# KiCad board nt980.dk-hs.kicad_pcb
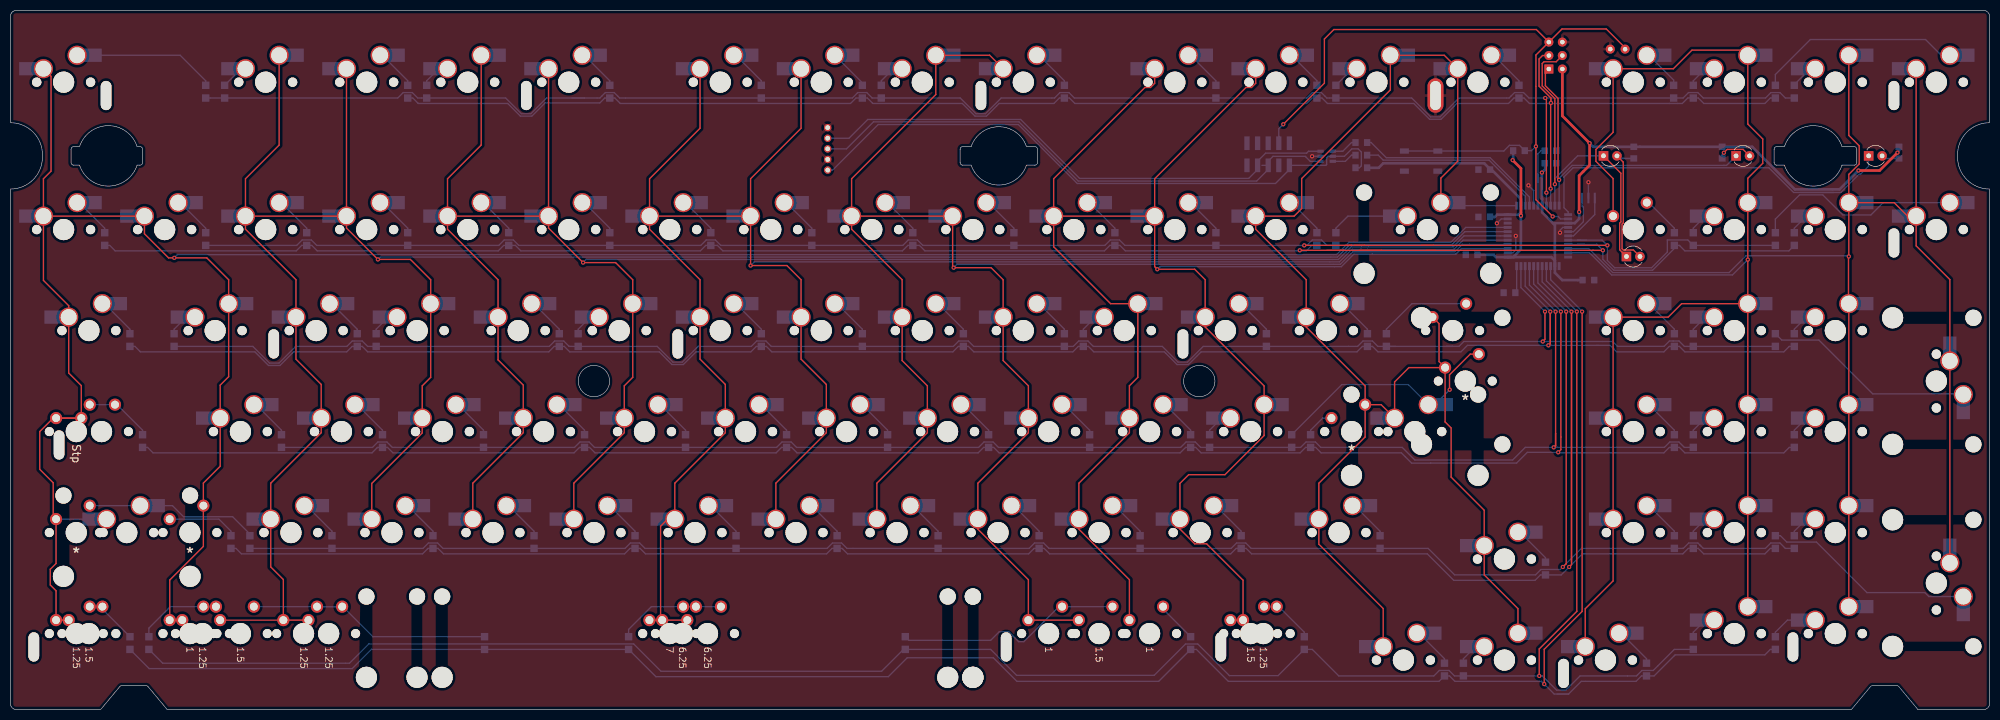
[diagram p0: board, top side]
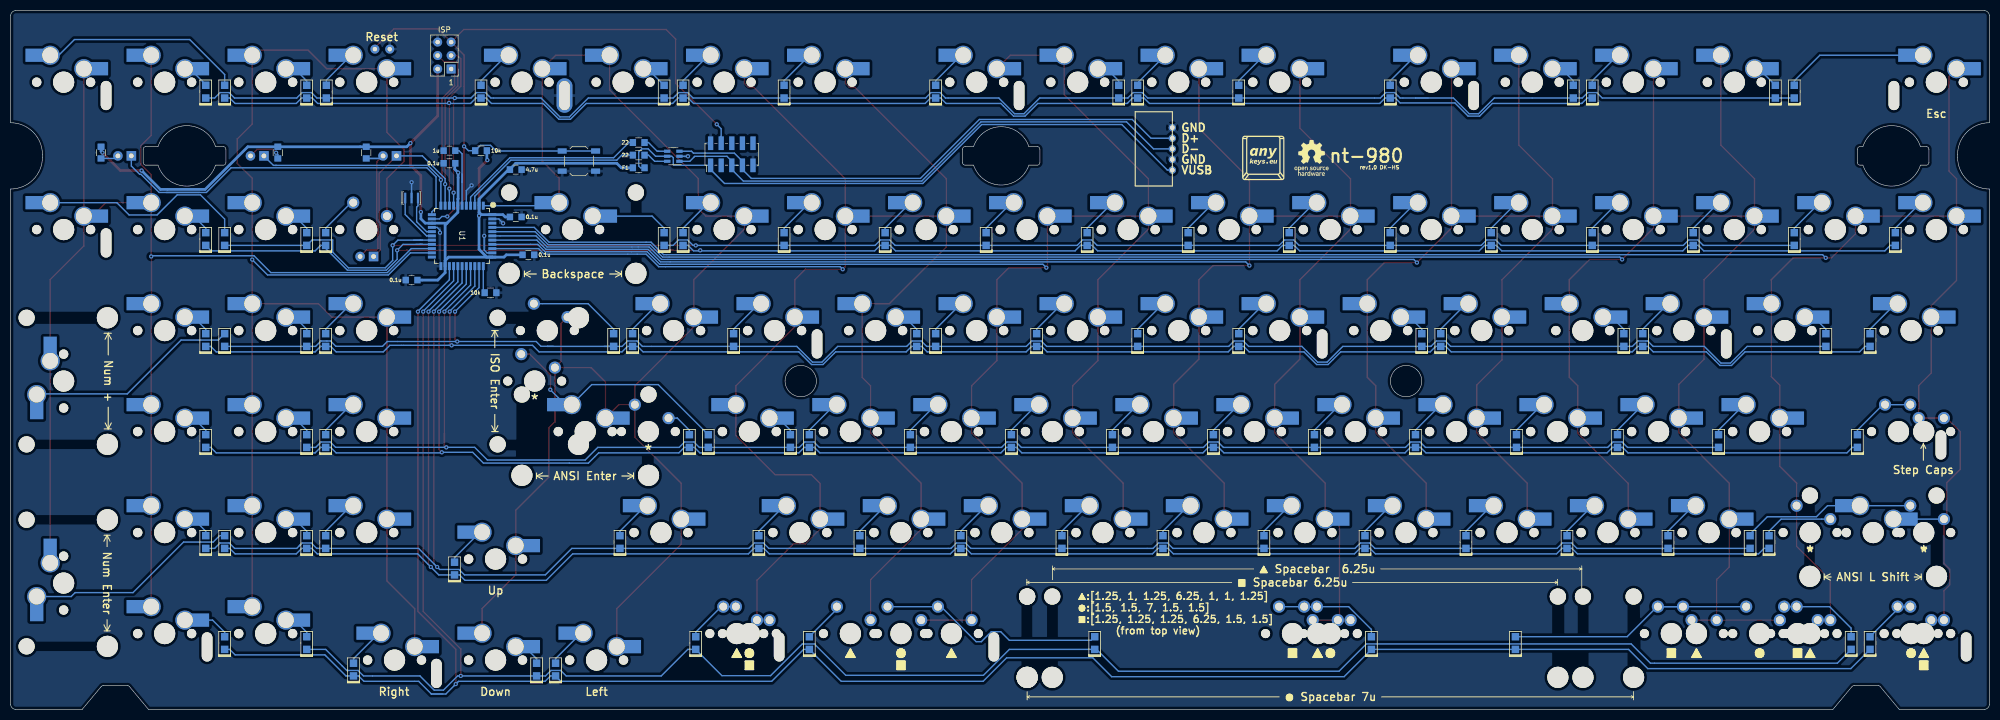
[diagram p1: board, bottom side, seen from below]

Outline 373.15 x 131.8 mm; copper layers: Top, Bottom. Coordinates in mm from the lower left corner of the outline.
Outline path: circle c110,61.92 r2.95 ; circle c224.15,61.92 r2.95 ; 0,110.65 0,130.8 arc(0.29,131.51) 1,131.8 372.15,131.8 arc(372.86,131.51) 373.15,130.8 373.15,110.65 arc(368.91,108.89) 367.15,104.65 ; 0,110.65 arc(4.24,108.89) 6,104.65 6,104.15 arc(4.24,99.91) 0,98.15 0,1 arc(0.29,0.29) 1,0 17,0 20.6,4.32 arc(20.77,4.45) 20.98,4.5 25.52,4.5 arc(25.73,4.45) 25.9,4.32 29.5,0 347.15,0 ; 13,106.15 11.9,106.15 arc(11.55,106) 11.4,105.65 11.4,103.15 arc(11.55,102.8) 11.9,102.65 13,102.65 arc(18.42,98.7) 23.85,102.65 24.4,102.65 arc(24.75,102.8) 24.9,103.15 24.9,105.65 arc(24.75,106) 24.4,106.15 23.85,106.15 arc(18.42,110.1) 13,106.15 ; 181.14,106.15 179.55,106.15 arc(179.2,106) 179.05,105.65 179.05,103.15 arc(179.2,102.8) 179.55,102.65 181.14,102.65 arc(186.35,98.9) 191.56,102.65 193.15,102.65 arc(193.5,102.8) 193.65,103.15 193.65,105.65 arc(193.5,106) 193.15,106.15 191.56,106.15 arc(186.35,109.9) 181.14,106.15 ; 345.35,102.65 arc(339.93,98.7) 334.5,102.65 333.05,102.65 arc(332.7,102.8) 332.55,103.15 332.55,105.65 arc(332.7,106) 333.05,106.15 334.5,106.15 arc(339.93,110.1) 345.35,106.15 347.65,106.15 arc(348,106) 348.15,105.65 348.15,103.15 arc(348,102.8) 347.65,102.65 345.35,102.65 ; 347.15,0 350.75,4.32 arc(350.92,4.45) 351.13,4.5 355.67,4.5 arc(355.88,4.45) 356.05,4.32 359.65,0 372.15,0 arc(372.86,0.29) 373.15,1 373.15,98.15 ; 367.15,104.65 367.15,104.15 arc(368.91,99.91) 373.15,98.15
Stack: Top 0.035mm / dielectric 1.51mm FR4 er 4.5 / Bottom 0.035mm

## Placement (name value [footprint] x y rotation side)
C101  1u  [C_0805]  290.39 105.38 0 bottom
C103  0.1u  [C_0805]  275.51 85.74 180 bottom
C104  0.1u  [C_0805]  297.54 80.98 0 bottom
C105  0.1u  [C_0805]  290.39 103 0 bottom
C106  0.1u  [C_0805]  277.89 92.88 180 bottom
C107  4.7u  [C_0805]  277.89 101.81 180 bottom
D1  D  [D_0805]  36.79 116.51 90 bottom
D3  D  [D_0805]  40.36 116.51 90 bottom
D4  D  [D_0805]  74.89 116.51 90 bottom
D5  D  [D_0805]  78.46 116.51 90 bottom
D6  D  [D_0805]  112.99 116.51 90 bottom
D7  D  [D_0805]  141.56 116.51 90 bottom
D8  D  [D_0805]  160.61 116.51 90 bottom
D9  D  [D_0805]  164.19 116.51 90 bottom
D10  D  [D_0805]  198.71 116.51 90 bottom
D11  D  [D_0805]  227.29 116.51 90 bottom
D12  D  [D_0805]  246.34 116.51 90 bottom
D13  D  [D_0805]  249.91 116.51 90 bottom
D14  D  [D_0805]  284.44 116.51 90 bottom
D15  D  [D_0805]  313.61 116.51 90 bottom
D16  D  [D_0805]  317.31 116.51 90 bottom
D17  D  [D_0805]  336.36 116.51 90 bottom
D18  D  [D_0805]  332.79 116.51 90 bottom
D19  D  [D_0805]  17.74 88.71 90 bottom
D20  D  [D_0805]  36.79 88.71 90 bottom
D21  D  [D_0805]  55.84 88.71 90 bottom
D22  D  [D_0805]  74.89 88.71 90 bottom
D23  D  [D_0805]  93.94 88.71 90 bottom
D24  D  [D_0805]  112.99 88.71 90 bottom
D25  D  [D_0805]  132.04 88.71 90 bottom
D26  D  [D_0805]  151.09 88.71 90 bottom
D27  D  [D_0805]  170.14 88.71 90 bottom
D28  D  [D_0805]  189.19 88.71 90 bottom
D29  D  [D_0805]  208.24 88.71 90 bottom
D30  D  [D_0805]  227.29 88.71 90 bottom
D31  D  [D_0805]  246.34 88.71 90 bottom
D32  D  [D_0805]  249.91 88.71 90 bottom
D33  D  [D_0805]  313.74 88.71 90 bottom
D34  D  [D_0805]  317.31 88.71 90 bottom
D35  D  [D_0805]  336.36 88.71 90 bottom
D36  D  [D_0805]  332.79 88.71 90 bottom
D37  D  [D_0805]  22.5 69.66 90 bottom
D38  D  [D_0805]  30.84 69.66 90 bottom
D39  D  [D_0805]  65.36 69.66 90 bottom
D40  D  [D_0805]  68.94 69.66 90 bottom
D41  D  [D_0805]  103.46 69.66 90 bottom
D42  D  [D_0805]  107.04 69.66 90 bottom
D43  D  [D_0805]  141.56 69.66 90 bottom
D44  D  [D_0805]  160.61 69.66 90 bottom
D45  D  [D_0805]  179.66 69.66 90 bottom
D46  D  [D_0805]  198.71 69.66 90 bottom
D47  D  [D_0805]  202.29 69.66 90 bottom
D48  D  [D_0805]  236.81 69.66 90 bottom
D49  D  [D_0805]  255.86 69.66 90 bottom
D50  D  [D_0805]  259.44 69.66 90 bottom
D51  D  [D_0805]  313.74 69.66 90 bottom
D52  D  [D_0805]  317.31 69.66 90 bottom
D53  D  [D_0805]  336.36 69.66 90 bottom
D54  D  [D_0805]  332.79 69.66 90 bottom
D55  D  [D_0805]  24.88 50.61 90 bottom
D56  D  [D_0805]  51.08 50.61 90 bottom
D57  D  [D_0805]  70.13 50.61 90 bottom
D58  D  [D_0805]  89.18 50.61 90 bottom
D59  D  [D_0805]  108.23 50.61 90 bottom
D60  D  [D_0805]  127.28 50.61 90 bottom
D61  D  [D_0805]  146.33 50.61 90 bottom
D62  D  [D_0805]  165.38 50.61 90 bottom
D63  D  [D_0805]  184.43 50.61 90 bottom
D64  D  [D_0805]  203.48 50.61 90 bottom
D65  D  [D_0805]  222.53 50.61 90 bottom
D66  D  [D_0805]  226.1 50.61 90 bottom
D67  D  [D_0805]  245.15 50.61 90 bottom
D68  D  [D_0805]  241.58 50.61 90 bottom
D69  D  [D_0805]  313.74 50.61 90 bottom
D70  D  [D_0805]  317.31 50.61 90 bottom
D71  D  [D_0805]  336.36 50.61 90 bottom
D73  D  [D_0805]  45.12 31.56 90 bottom
D74  D  [D_0805]  41.55 31.56 90 bottom
D75  D  [D_0805]  60.6 31.56 90 bottom
D76  D  [D_0805]  79.65 31.56 90 bottom
D77  D  [D_0805]  98.7 31.56 90 bottom
D78  D  [D_0805]  117.75 31.56 90 bottom
D79  D  [D_0805]  136.8 31.56 90 bottom
D80  D  [D_0805]  155.85 31.56 90 bottom
D81  D  [D_0805]  174.9 31.56 90 bottom
D82  D  [D_0805]  193.95 31.56 90 bottom
D83  D  [D_0805]  213 31.56 90 bottom
D84  D  [D_0805]  232.05 31.56 90 bottom
D85  D  [D_0805]  258.25 31.56 90 bottom
D86  D  [D_0805]  289.44 26.56 90 bottom
D87  D  [D_0805]  313.74 31.56 90 bottom
D88  D  [D_0805]  317.31 31.56 90 bottom
D89  D  [D_0805]  336.36 31.56 90 bottom
D90  D  [D_0805]  332.79 31.56 90 bottom
D91  D  [D_0805]  22.51 12.51 90 bottom
D92  D  [D_0805]  26.07 12.51 90 bottom
D93  D  [D_0805]  89.38 12.51 90 bottom
D97  D  [D_0805]  116.54 12.51 90 bottom
D100  D  [D_0805]  168.72 12.51 90 bottom
D101  D  [D_0805]  222.53 12.51 90 bottom
D102  D  [D_0805]  243.96 12.51 90 bottom
D103  D  [D_0805]  270.39 7.51 90 bottom
D104  D  [D_0805]  273.96 7.51 90 bottom
D105  D  [D_0805]  308.49 7.51 90 bottom
D106  D  [D_0805]  317.31 12.51 90 bottom
D107  D  [D_0805]  332.79 12.51 90 bottom
F1  500mA, 1A  [R_0805]  254.71 102.15 180 bottom
G***  LOGO  [oshw]  127.83 104.01 180 bottom
G***#2  LOGO  [logo_new]  136.92 104.01 180 bottom
J1  USB  [PinHeader_2x05_P2.00mm_Vertical_SMD]  237.15 104.7 90 bottom
J2  ISP  [isp_standard]  291.35 123.33 0 bottom
K1  KEYSW  [Hotswap-1.00U]  10 118.3 0 top
K3  KEYSW  [Hotswap-1.00U]  48.1 118.3 0 top
K4  KEYSW  [Hotswap-1.00U]  67.15 118.3 0 top
K5  KEYSW  [Hotswap-1.00U]  86.2 118.3 0 top
K6  KEYSW  [Hotswap-1.00U]  105.25 118.3 0 top
K7  KEYSW  [Hotswap-1.00U]  133.83 118.3 0 top
K8  KEYSW  [Hotswap-1.00U]  152.88 118.3 0 top
K9  KEYSW  [Hotswap-1.00U]  171.93 118.3 0 top
K10  KEYSW  [Hotswap-1.00U]  190.98 118.3 0 top
K11  KEYSW  [Hotswap-1.00U]  219.55 118.3 0 top
K12  KEYSW  [Hotswap-1.00U]  238.6 118.3 0 top
K13  KEYSW  [Hotswap-1.00U]  257.65 118.3 0 top
K14  KEYSW  [Hotswap-1.00U]  276.7 118.3 0 top
K15  KEYSW  [Hotswap-1.00U]  306 118.3 0 top
K16  KEYSW  [Hotswap-1.00U]  325.05 118.3 0 top
K17  KEYSW  [Hotswap-1.00U]  344.1 118.3 0 top
K18  KEYSW  [Hotswap-1.00U]  363.15 118.3 0 top
K19  KEYSW  [Hotswap-1.00U]  10 90.5 0 top
K20  KEYSW  [Hotswap-1.00U]  29.05 90.5 0 top
K21  KEYSW  [Hotswap-1.00U]  48.1 90.5 0 top
K22  KEYSW  [Hotswap-1.00U]  67.15 90.5 0 top
K23  KEYSW  [Hotswap-1.00U]  86.2 90.5 0 top
K24  KEYSW  [Hotswap-1.00U]  105.25 90.5 0 top
K25  KEYSW  [Hotswap-1.00U]  124.3 90.5 0 top
K26  KEYSW  [Hotswap-1.00U]  143.35 90.5 0 top
K27  KEYSW  [Hotswap-1.00U]  162.4 90.5 0 top
K28  KEYSW  [Hotswap-1.00U]  181.45 90.5 0 top
K29  KEYSW  [Hotswap-1.00U]  200.5 90.5 0 top
K30  KEYSW  [Hotswap-1.00U]  219.55 90.5 0 top
K31  KEYSW  [Hotswap-1.00U]  238.6 90.5 0 top
K32  KEYSW  [Hotswap-2.0U]  267.18 90.5 0 top
K33  KEYSW  [CHERRY_PLATE_100H]  306 90.5 0 top
K34  KEYSW  [Hotswap-1.00U]  325.05 90.5 0 top
K35  KEYSW  [Hotswap-1.00U]  344.1 90.5 0 top
K36  KEYSW  [Hotswap-1.00U]  363.15 90.5 0 top
K37  KEYSW  [Hotswap-1.5]  14.76 71.45 0 top
K38  KEYSW  [Hotswap-1.00U]  38.58 71.45 0 top
K39  KEYSW  [Hotswap-1.00U]  57.63 71.45 0 top
K40  KEYSW  [Hotswap-1.00U]  76.68 71.45 0 top
K41  KEYSW  [Hotswap-1.00U]  95.73 71.45 0 top
K42  KEYSW  [Hotswap-1.00U]  114.78 71.45 0 top
K43  KEYSW  [Hotswap-1.00U]  133.83 71.45 0 top
K44  KEYSW  [Hotswap-1.00U]  152.88 71.45 0 top
K45  KEYSW  [Hotswap-1.00U]  171.93 71.45 0 top
K46  KEYSW  [Hotswap-1.00U]  190.98 71.45 0 top
K47  KEYSW  [Hotswap-1.00U]  210.03 71.45 0 top
K48  1U  [Hotswap-1.00U]  229.08 71.45 0 top
K49  KEYSW  [Hotswap-1.00U]  248.13 71.45 0 top
K50  KEYSW  [CHERRY_PLATE_150H]  271.94 71.45 0 top
K51  KEYSW  [Hotswap-1.00U]  306 71.45 0 top
K52  KEYSW  [Hotswap-1.00U]  325.05 71.45 0 top
K53  KEYSW  [Hotswap-1.00U]  344.1 71.45 0 top
K54  KEYSW  [Hotswap-2.0U]  363.15 61.92 270 top
K55  KEYSW  [CHERRY_PLATE_175H]  17.14 52.4 0 top
K55-2  KEYSW  [CHERRY_PLATE_125H]  12.39 52.4 0 top
K56  KEYSW  [Hotswap-1.00U]  43.34 52.4 0 top
K57  KEYSW  [Hotswap-1.00U]  62.39 52.4 0 top
K58  KEYSW  [Hotswap-1.00U]  81.44 52.4 0 top
K59  KEYSW  [Hotswap-1.00U]  100.49 52.4 0 top
K60  KEYSW  [Hotswap-1.00U]  119.54 52.4 0 top
K61  KEYSW  [Hotswap-1.00U]  138.59 52.4 0 top
K62  KEYSW  [Hotswap-1.00U]  157.64 52.4 0 top
K63  KEYSW  [Hotswap-1.00U]  176.69 52.4 0 top
K64  KEYSW  [Hotswap-1.00U]  195.74 52.4 0 top
K65  KEYSW  [Hotswap-1.00U]  214.79 52.4 0 top
K66  KEYSW  [Hotswap-1.00U]  233.84 52.4 0 top
K67  KEYSW  [CHERRY_PLATE_100H]  252.89 52.4 0 top
K68  KEYSW  [Hotswap-2.25U]  264.79 52.4 0 top
K68-1  KEYSW  [CHERRY_PCB_200H_V]  274.32 61.93 0 top
K69  KEYSW  [Hotswap-1.00U]  306 52.4 0 top
K70  KEYSW  [Hotswap-1.00U]  325.05 52.4 0 top
K71  KEYSW  [Hotswap-1.00U]  344.1 52.4 0 top
K73  KEYSW  [Hotswap-2.25U]  21.91 33.35 0 top
K73-1  KEYSW  [CHERRY_PLATE_125H]  12.38 33.35 0 top
K74  KEYSW  [CHERRY_PLATE_100H]  33.81 33.35 0 top
K75  KEYSW  [Hotswap-1.00U]  52.86 33.35 0 top
K76  KEYSW  [Hotswap-1.00U]  71.91 33.35 0 top
K77  KEYSW  [Hotswap-1.00U]  90.96 33.35 0 top
K78  KEYSW  [Hotswap-1.00U]  110.01 33.35 0 top
K79  KEYSW  [Hotswap-1.00U]  129.06 33.35 0 top
K80  KEYSW  [Hotswap-1.00U]  148.11 33.35 0 top
K81  KEYSW  [Hotswap-1.00U]  167.16 33.35 0 top
K82  KEYSW  [Hotswap-1.00U]  186.21 33.35 0 top
K83  KEYSW  [Hotswap-1.00U]  205.26 33.35 0 top
K84  KEYSW  [Hotswap-1.00U]  224.31 33.35 0 top
K85  KEYSW  [Hotswap-1.75U]  250.51 33.35 0 top
K86  KEYSW  [Hotswap-1.00U]  281.7 28.35 0 top
K87  KEYSW  [Hotswap-1.00U]  306 33.35 0 top
K88  KEYSW  [Hotswap-1.00U]  325.05 33.35 0 top
K89  KEYSW  [Hotswap-1.00U]  344.1 33.35 0 top
K90  KEYSW  [Hotswap-2.0U]  363.15 23.83 270 top
K91  KEYSW  [CHERRY_PLATE_125H]  12.38 14.3 0 top
K91-2  KEYSW  [CHERRY_PLATE_150H]  14.77 14.3 0 top
K92  KEYSW  [CHERRY_PLATE_100H]  33.81 14.3 0 top
K92-2  KEYSW  [CHERRY_PLATE_125H]  36.18 14.3 0 top
K93  KEYSW  [CHERRY_PLATE_125H]  55.24 14.3 0 top
K93-2  KEYSW  [CHERRY_PLATE_150H]  43.33 14.3 0 top
K93-3  KEYSW  [CHERRY_PLATE_125H]  59.98 14.3 0 top
K97  KEYSW  [CHERRY_PCB_625H]  126.68 14.3 0 top
K97-2  KEYSW  [CHERRY_PCB_625H#2]  124.28 14.3 0 top
K97-3  KEYSW  [CHERRY_PCB_625H]  131.42 14.3 0 top
K100  KEYSW  [CHERRY_PLATE_100H]  195.74 14.3 0 top
K100-2  KEYSW  [CHERRY_PLATE_150H]  205.25 14.3 0 top
K101  KEYSW  [CHERRY_PLATE_100H]  214.79 14.3 0 top
K102  KEYSW  [CHERRY_PLATE_125H]  236.22 14.3 0 top
K102-2  KEYSW  [CHERRY_PLATE_150H]  233.84 14.3 0 top
K103  KEYSW  [Hotswap-1.00U]  262.65 9.3 0 top
K104  KEYSW  [Hotswap-1.00U]  281.7 9.3 0 top
K105  1U  [Hotswap-1.00U]  300.75 9.3 0 top
K106  KEYSW  [Hotswap-1.00U]  325.05 14.3 0 top
K107  KEYSW  [Hotswap-1.00U]  344.1 14.3 0 top
L1  LED  [LED_D3.0mm]  301.65 104.4 0 top
L1#2  LED  [LED_D3.0mm]  305.98 85.42 0 top
L2  LED  [LED_D3.0mm]  326.65 104.4 0 top
L3  LED  [LED_D3.0mm]  351.65 104.4 0 top
NOREF  -  []  149.26 25.98 0 top
NOREF#2  -  [unnamed#2]  304.45 124.28 0 top
NOREF#3  -  []  128.94 26.24 0 top
NOREF#4  -  [unnamed#3]  301.66 124.54 0 top
NOREF#5  -  [unnamed#4]  159.42 107.52 0 top
NOREF#6  -  [unnamed#5]  157.64 107.52 0 top
NOREF#7  -  [unnamed#6]  160.69 107.52 0 top
NOREF#8  -  [unnamed#7]  162.97 107.52 0 top
NOREF#9  -  []  143.92 25.98 0 top
NOREF#10  -  [unnamed#8]  161.19 107.52 0 top
R1  1k  [R_0805]  306.09 105.02 270 bottom
R2  1k  [R_0805]  322.76 105.02 270 bottom
R3  1k  [R_0805]  356.1 105.02 270 bottom
R101  22  [R_0805]  254.71 106.92 180 bottom
R102  22  [R_0805]  254.71 104.54 180 bottom
R104  10k  [R_0805]  284.44 105.38 180 bottom
R105  10k  [R_0805]  282.65 78.59 0 bottom
REF**  -  [plate_mount]  105.25 118.3 0 top
REF**#2  -  [plate_mount]  190.98 118.3 0 top
REF**#3  -  [plate_mount]  363.15 118.3 0 top
REF**#4  -  [plate_mount]  363.15 90.5 0 top
REF**#5  -  [plate_mount]  344.1 14.3 0 top
REF**#6  -  [plate_mount]  57.63 71.45 0 top
REF**#7  -  [plate_mount]  133.83 71.45 0 top
REF**#8  -  [plate_mount]  17.14 52.4 0 top
REF**#9  -  [plate_mount]  12.38 14.3 0 top
REF**#10  -  [plate_mount]  195.74 14.3 0 top
REF**#11  -  [plate_mount]  236.22 14.3 0 top
REF**#12  -  [plate_mount_tht]  276.7 118.3 0 top
REF**#13  -  [plate_mount]  300.85 9.3 0 top
REF**#14  -  [plate_mount]  229.08 71.45 0 top
REF**#15  -  [plate_mount]  10 118.3 180 bottom
SW1  Reset  [SW_SPST_TL3342]  265.98 103.42 0 bottom
U1  ATmega32U4  [ATMEGA32U4]  288.01 89.31 270 bottom
U2  -  [USBLC6-2SC6]  248.18 104.33 90 bottom
X1  CSTNE16M0V530000R0  [Resonator_SMD_muRata_CSTNExxV-3Pin-p1.2]  297.54 96.45 180 bottom

## Library data of the parts
J1 = -: LCSC#: C124404

## Footprints (pads in the part's own frame, mm; a bottom-side part is the same pattern mirrored in y, then rotated)
ATMEGA32U4
  rect 1.5x0.55 smd: 1(-5.7,4) 2(-5.7,3.2) 3(-5.7,2.4) 4(-5.7,1.6) 5(-5.7,0.8) 6(-5.7,0) 7(-5.7,-0.8) 8(-5.7,-1.6) 9(-5.7,-2.4) 10(-5.7,-3.2) 11(-5.7,-4) 23(5.7,-4) 24(5.7,-3.2) 25(5.7,-2.4) 26(5.7,-1.6) 27(5.7,-0.8) 28(5.7,0) 29(5.7,0.8) 30(5.7,1.6) 31(5.7,2.4) 32(5.7,3.2) 33(5.7,4)
  rect 0.55x1.5 smd: 12(-4,-5.7) 13(-3.2,-5.7) 14(-2.4,-5.7) 15(-1.6,-5.7) 16(-0.8,-5.7) 17(0,-5.7) 18(0.8,-5.7) 19(1.6,-5.7) 20(2.4,-5.7) 21(3.2,-5.7) 22(4,-5.7) 34(4,5.7) 35(3.2,5.7) 36(2.4,5.7) 37(1.6,5.7) 38(0.8,5.7) 39(0,5.7) 40(-0.8,5.7) 41(-1.6,5.7) 42(-2.4,5.7) 43(-3.2,5.7) 44(-4,5.7)
C_0805
  rect 1.2x1.25 smd: 1(-1.1,0) 2(1.1,0)
CHERRY_PCB_200H_V
  round 3.988 hole 3.988 unplated: (-8.255,11.938) (-8.255,-11.938) (0,0)
  round 1.702 hole 1.702 unplated: (-5.08,0) (5.08,0)
  round 3.048 hole 3.048 unplated: (6.985,11.938) (6.985,-11.938)
  round 2.286 hole 1.499: 1(2.54,5.08) 2(-3.81,2.54)
CHERRY_PCB_625H
  round 3.048 hole 3.048 unplated: (-50.038,6.985) (50.038,6.985)
  round 3.988 hole 3.988 unplated: (-50.038,-8.255) (0,0) (50.038,-8.255)
  round 1.702 hole 1.702 unplated: (-5.08,0) (5.08,0)
  round 2.286 hole 1.499: 1(2.54,5.08) 2(-3.81,2.54)
CHERRY_PCB_625H#2
  round 3.048 hole 3.048 unplated: (-57.182,6.985) (57.182,6.985)
  round 3.988 hole 3.988 unplated: (-57.182,-8.255) (0,0) (57.182,-8.255)
  round 1.702 hole 1.702 unplated: (-5.08,0) (5.08,0)
  round 2.286 hole 1.499: 1(2.54,5.08) 2(-3.81,2.54)
CHERRY_PLATE_100H
  round 1.702 hole 1.702 unplated: (-5.08,0) (5.08,0)
  round 3.988 hole 3.988 unplated: (0,0)
  round 2.286 hole 1.499: 1(2.54,5.08) 2(-3.81,2.54)
CHERRY_PLATE_125H
  round 1.702 hole 1.702 unplated: (-5.08,0) (5.08,0)
  round 3.988 hole 3.988 unplated: (0,0)
  round 2.286 hole 1.499: 1(2.54,5.08) 2(-3.81,2.54)
CHERRY_PLATE_150H
  round 1.702 hole 1.702 unplated: (-5.08,0) (5.08,0)
  round 3.988 hole 3.988 unplated: (0,0)
  round 2.286 hole 1.499: 1(2.54,5.08) 2(-3.81,2.54)
CHERRY_PLATE_175H
  round 1.702 hole 1.702 unplated: (-5.08,0) (5.08,0)
  round 3.988 hole 3.988 unplated: (0,0)
  round 2.286 hole 1.499: 1(2.54,5.08) 2(-3.81,2.54)
D_0805
  rect 1.4x1.4 smd: 1(-1.2,0) 2(1.2,0)
Hotswap-1.00U
  round 1.75 hole 1.75 unplated: (-5.08,0) (5.08,0)
  round 3.988 hole 3.988 unplated: (0,0)
  round 3.6 hole 3: 1(2.54,5.08) 2(-3.81,2.54)
  rect 3.5x2.5 smd far side: 1(5.442,5.08) 2(-6.635,2.54)
Hotswap-1.5
  round 1.75 hole 1.75 unplated: (-5.08,0) (5.08,0)
  round 3.988 hole 3.988 unplated: (0,0)
  round 3.6 hole 3: 1(2.54,5.08) 2(-3.81,2.54)
  rect 3.5x2.5 smd far side: 1(5.442,5.08) 2(-6.635,2.54)
Hotswap-1.75U
  round 1.75 hole 1.75 unplated: (-5.08,0) (5.08,0)
  round 3.988 hole 3.988 unplated: (0,0)
  round 3.6 hole 3: 1(2.54,5.08) 2(-3.81,2.54)
  rect 3.5x2.5 smd far side: 1(5.442,5.08) 2(-6.635,2.54)
Hotswap-2.0U
  round 3.048 hole 3.048 unplated: (-11.938,6.985) (11.938,6.985)
  round 3.988 hole 3.988 unplated: (-11.938,-8.255) (0,0) (11.938,-8.255)
  round 1.75 hole 1.75 unplated: (-5.08,0) (5.08,0)
  round 3.6 hole 3: 1(2.54,5.08) 2(-3.81,2.54)
  rect 3.5x2.5 smd far side: 1(5.442,5.08) 2(-6.635,2.54)
Hotswap-2.25U
  round 3.048 hole 3.048 unplated: (-11.938,6.985) (11.938,6.985)
  round 3.988 hole 3.988 unplated: (-11.938,-8.255) (0,0) (11.938,-8.255)
  round 1.75 hole 1.75 unplated: (-5.08,0) (5.08,0)
  round 3.6 hole 3: 1(2.54,5.08) 2(-3.81,2.54)
  rect 3.5x2.5 smd far side: 1(5.442,5.08) 2(-6.635,2.54)
isp_standard
  rect 1.7x1.7 hole 0.85: 1(-1.27,2.54)
  oval 1.7x1.7 hole 0.85: 2(1.27,2.54) 3(-1.27,0) 4(1.27,0) 5(-1.27,-2.54) 6(1.27,-2.54)
LED_D3.0mm
  rect 1.8x1.8 hole 0.9: 1(-1.27,0)
  round 1.8 hole 0.9: 2(1.27,0)
PinHeader_2x05_P2.00mm_Vertical_SMD
  rect 2.58x1 smd: 1(-2.085,4) 2(2.085,4) 3(-2.085,2) 4(2.085,2) 5(-2.085,0) 6(2.085,0) 7(-2.085,-2) 8(2.085,-2) 9(-2.085,-4) 10(2.085,-4)
plate_mount
  oval 2x5.5 hole 2x5.5 unplated: (-8.003,-2.517)
plate_mount_tht
  oval 3x6.5 hole 2x5.5: 1(-8.003,-2.517)
R_0805
  rect 1.2x1.3 smd: 1(-1.1,0) 2(1.1,0)
Resonator_SMD_muRata_CSTNExxV-3Pin-p1.2
  rect 0.4x2 smd: 1(-1.2,0) 2(1.2,0) 3(0,0)
SW_SPST_TL3342
  rect 1.7x1 smd: 1(-3.15,1.9) 1(3.15,1.9) 2(-3.15,-1.9) 2(3.15,-1.9)
unnamed#2
  oval 1.7x1.7 hole 0.85: 5(0,0.254)
unnamed#3
  oval 1.7x1.7 hole 0.85: 6(0,0)
unnamed#4
  round 1.4 hole 0.9: 2(-5.334,-3.794)
unnamed#5
  round 1.4 hole 0.9: 2(-3.556,-5.794)
unnamed#6
  round 1.4 hole 0.9: 2(-6.604,2.206)
unnamed#7
  round 1.4 hole 0.9: 2(-8.89,0.206)
unnamed#8
  round 1.4 hole 0.9: 2(-7.112,-1.794)
USBLC6-2SC6
  rect 0.6x1.2 smd: 1(-0.95,-1.15) 2(0,-1.15) 3(0.95,-1.15) 4(0.95,1.15) 5(0,1.15) 6(-0.95,1.15)

## Nets
GND: C101.2 C103.2 C104.2 C105.2 C106.2 C107.2 J1.2 J1.3 J1.9 J2.6 NOREF#4.6 NOREF#5.2 NOREF#7.2 R105.1 REF**#12.1 SW1.1 U1.5 U1.15 U1.23 U1.35 U1.43 U2.2 X1.3
VCC: C103.1 C104.1 C105.1 C106.1 C107.1 F1.1 J2.2 R1.1 R2.1 R3.1 R104.2 U1.2 U1.7 U1.14 U1.24 U1.34 U1.44
col0: K1.2 K19.2 K20.2 K37.2 K38.1 K55.2 K55-2.2 K56.2 K73.2 K73-1.2 K74.1 K91.2 K91-2.2 K92.2 K92-2.2 U1.41
col1: K3.1 K4.2 K21.2 K22.2 K39.2 K40.1 K57.2 K58.2 K75.2 K76.2 K93.2 K93-2.2 K93-3.2 U1.40
col2: K5.1 K6.2 K23.2 K24.2 K41.2 K42.1 K59.2 K60.2 K77.2 K78.2 U1.39
col3: K7.2 K8.2 K25.2 K26.2 K43.2 K44.2 K61.2 K62.2 K79.2 K80.2 K97.2 K97-2.2 K97-3.2 U1.38
col4: K9.1 K10.2 K27.2 K28.2 K45.2 K46.2 K63.2 K64.2 K81.2 K82.2 K100.2 K100-2.2 U1.37
col5: K11.2 K12.2 K29.2 K30.2 K47.1 K48.2 K65.2 K66.1 K83.2 K84.2 K101.2 K102.2 K102-2.2 U1.36
col6: K13.1 K14.2 K31.2 K32.1 K49.2 K50.2 K67.1 K68.2 K68-1.2 K85.2 K86.2 K103.2 K104.1 U1.1
col7: K15.2 K16.1 K33.2 K34.1 K51.2 K52.1 K69.2 K70.1 K87.2 K88.1 K105.2 K106.1 U1.21
col8: K17.1 K18.2 K35.1 K36.2 K53.1 K54.2 K71.1 K89.1 K90.2 K107.1 U1.20
D+: J1.7 NOREF#8.2 U2.3
D-: J1.5 NOREF#10.2 U2.1
DIP1: J1.4 J2.5 NOREF#2.5 R104.1 SW1.2 U1.13
MISO: J2.1 L2.1 U1.11
MOSI: J2.4 L1.1 L1#2.1 U1.10
row0: D1.1 D3.1 D5.1 D7.1 D9.1 D11.1 D13.1 D15.1 D17.1 U1.8
row2: D19.1 D21.1 D23.1 D25.1 D27.1 D29.1 D31.1 D33.1 D35.1 U1.19
row3: D20.1 D22.1 D24.1 D26.1 D28.1 D30.1 D32.1 D34.1 D36.1 U1.18
row4: D37.1 D39.1 D41.1 D43.1 D45.1 D47.1 D49.1 D51.1 D53.1 U1.31
row5: D38.1 D40.1 D42.1 D44.1 D46.1 D48.1 D50.1 D52.1 D54.1 U1.32
row6: D55.1 D57.1 D59.1 D61.1 D63.1 D65.1 D67.1 D69.1 D71.1 U1.29
row7: D56.1 D58.1 D60.1 D62.1 D64.1 D66.1 D68.1 D70.1 U1.30
row8: D73.1 D75.1 D77.1 D79.1 D81.1 D83.1 D85.1 D87.1 D89.1 U1.28
row9: D74.1 D76.1 D78.1 D80.1 D82.1 D84.1 D86.1 D88.1 D90.1 U1.27
row10: D91.1 D93.1 D97.1 D101.1 D103.1 D105.1 D107.1 U1.25
row11: D92.1 D100.1 D102.1 D104.1 D106.1 U1.26
SCK: D4.1 D6.1 D8.1 D10.1 D12.1 D14.1 D16.1 D18.1 J2.3 U1.9
scrolllock-led: L3.1 U1.12
VUSB: F1.2 J1.1 NOREF#6.2 U2.5
Net-(C101-Pad1): C101.1 U1.6
Net-(D1-Pad2): D1.2 K1.1
Net-(D3-Pad2): D3.2 K3.2
Net-(D4-Pad2): D4.2 K4.1
Net-(D5-Pad2): D5.2 K5.2
Net-(D6-Pad2): D6.2 K6.1
Net-(D7-Pad2): D7.2 K7.1
Net-(D8-Pad2): D8.2 K8.1
Net-(D9-Pad2): D9.2 K9.2
Net-(D10-Pad2): D10.2 K10.1
Net-(D11-Pad2): D11.2 K11.1
Net-(D12-Pad2): D12.2 K12.1
Net-(D13-Pad2): D13.2 K13.2
Net-(D14-Pad2): D14.2 K14.1
Net-(D15-Pad2): D15.2 K15.1
Net-(D16-Pad2): D16.2 K16.2
Net-(D17-Pad2): D17.2 K17.2
Net-(D18-Pad2): D18.2 K18.1
Net-(D19-Pad2): D19.2 K19.1
Net-(D20-Pad2): D20.2 K20.1
Net-(D21-Pad2): D21.2 K21.1
Net-(D22-Pad2): D22.2 K22.1
Net-(D23-Pad2): D23.2 K23.1
Net-(D24-Pad2): D24.2 K24.1
Net-(D25-Pad2): D25.2 K25.1
Net-(D26-Pad2): D26.2 K26.1
Net-(D27-Pad2): D27.2 K27.1
Net-(D28-Pad2): D28.2 K28.1
Net-(D29-Pad2): D29.2 K29.1
Net-(D30-Pad2): D30.2 K30.1
Net-(D31-Pad2): D31.2 K31.1
Net-(D32-Pad2): D32.2 K32.2
Net-(D33-Pad2): D33.2 K33.1
Net-(D34-Pad2): D34.2 K34.2
Net-(D35-Pad2): D35.2 K35.2
Net-(D36-Pad2): D36.2 K36.1
Net-(D37-Pad2): D37.2 K37.1
Net-(D38-Pad2): D38.2 K38.2
Net-(D39-Pad2): D39.2 K39.1
Net-(D40-Pad2): D40.2 K40.2
Net-(D41-Pad2): D41.2 K41.1
Net-(D42-Pad2): D42.2 K42.2
Net-(D43-Pad2): D43.2 K43.1
Net-(D44-Pad2): D44.2 K44.1
Net-(D45-Pad2): D45.2 K45.1
Net-(D46-Pad2): D46.2 K46.1
Net-(D47-Pad2): D47.2 K47.2
Net-(D48-Pad2): D48.2 K48.1
Net-(D49-Pad2): D49.2 K49.1
Net-(D50-Pad2): D50.2 K50.1
Net-(D51-Pad2): D51.2 K51.1
Net-(D52-Pad2): D52.2 K52.2
Net-(D53-Pad2): D53.2 K53.2
Net-(D54-Pad2): D54.2 K54.1
Net-(D55-Pad2): D55.2 K55.1 K55-2.1
Net-(D56-Pad2): D56.2 K56.1
Net-(D57-Pad2): D57.2 K57.1
Net-(D58-Pad2): D58.2 K58.1
Net-(D59-Pad2): D59.2 K59.1
Net-(D60-Pad2): D60.2 K60.1
Net-(D61-Pad2): D61.2 K61.1
Net-(D62-Pad2): D62.2 K62.1
Net-(D63-Pad2): D63.2 K63.1
Net-(D64-Pad2): D64.2 K64.1
Net-(D65-Pad2): D65.2 K65.1
Net-(D66-Pad2): D66.2 K66.2
Net-(D67-Pad2): D67.2 K67.2
Net-(D68-Pad2): D68.2 K68.1 K68-1.1
Net-(D69-Pad2): D69.2 K69.1
Net-(D70-Pad2): D70.2 K70.2
Net-(D71-Pad2): D71.2 K71.2
Net-(D73-Pad2): D73.2 K73.1 K73-1.1
Net-(D74-Pad2): D74.2 K74.2
Net-(D75-Pad2): D75.2 K75.1